# Altium PCB old PT1000_16CH.PCBDOC (part 1 of 5)
Units mil, origin at the board's own origin, x right, y up, seen from the top; angles counter-clockwise.
Board outline 8409.08 x 3937.01 mil, 4 copper layers (TOP, G1, L2, BOT), stack 61.024 mil thick; 557 components, 501 nets, 2175 pads, 416 vias.
Unrouted connection lines stored in the file: 636.
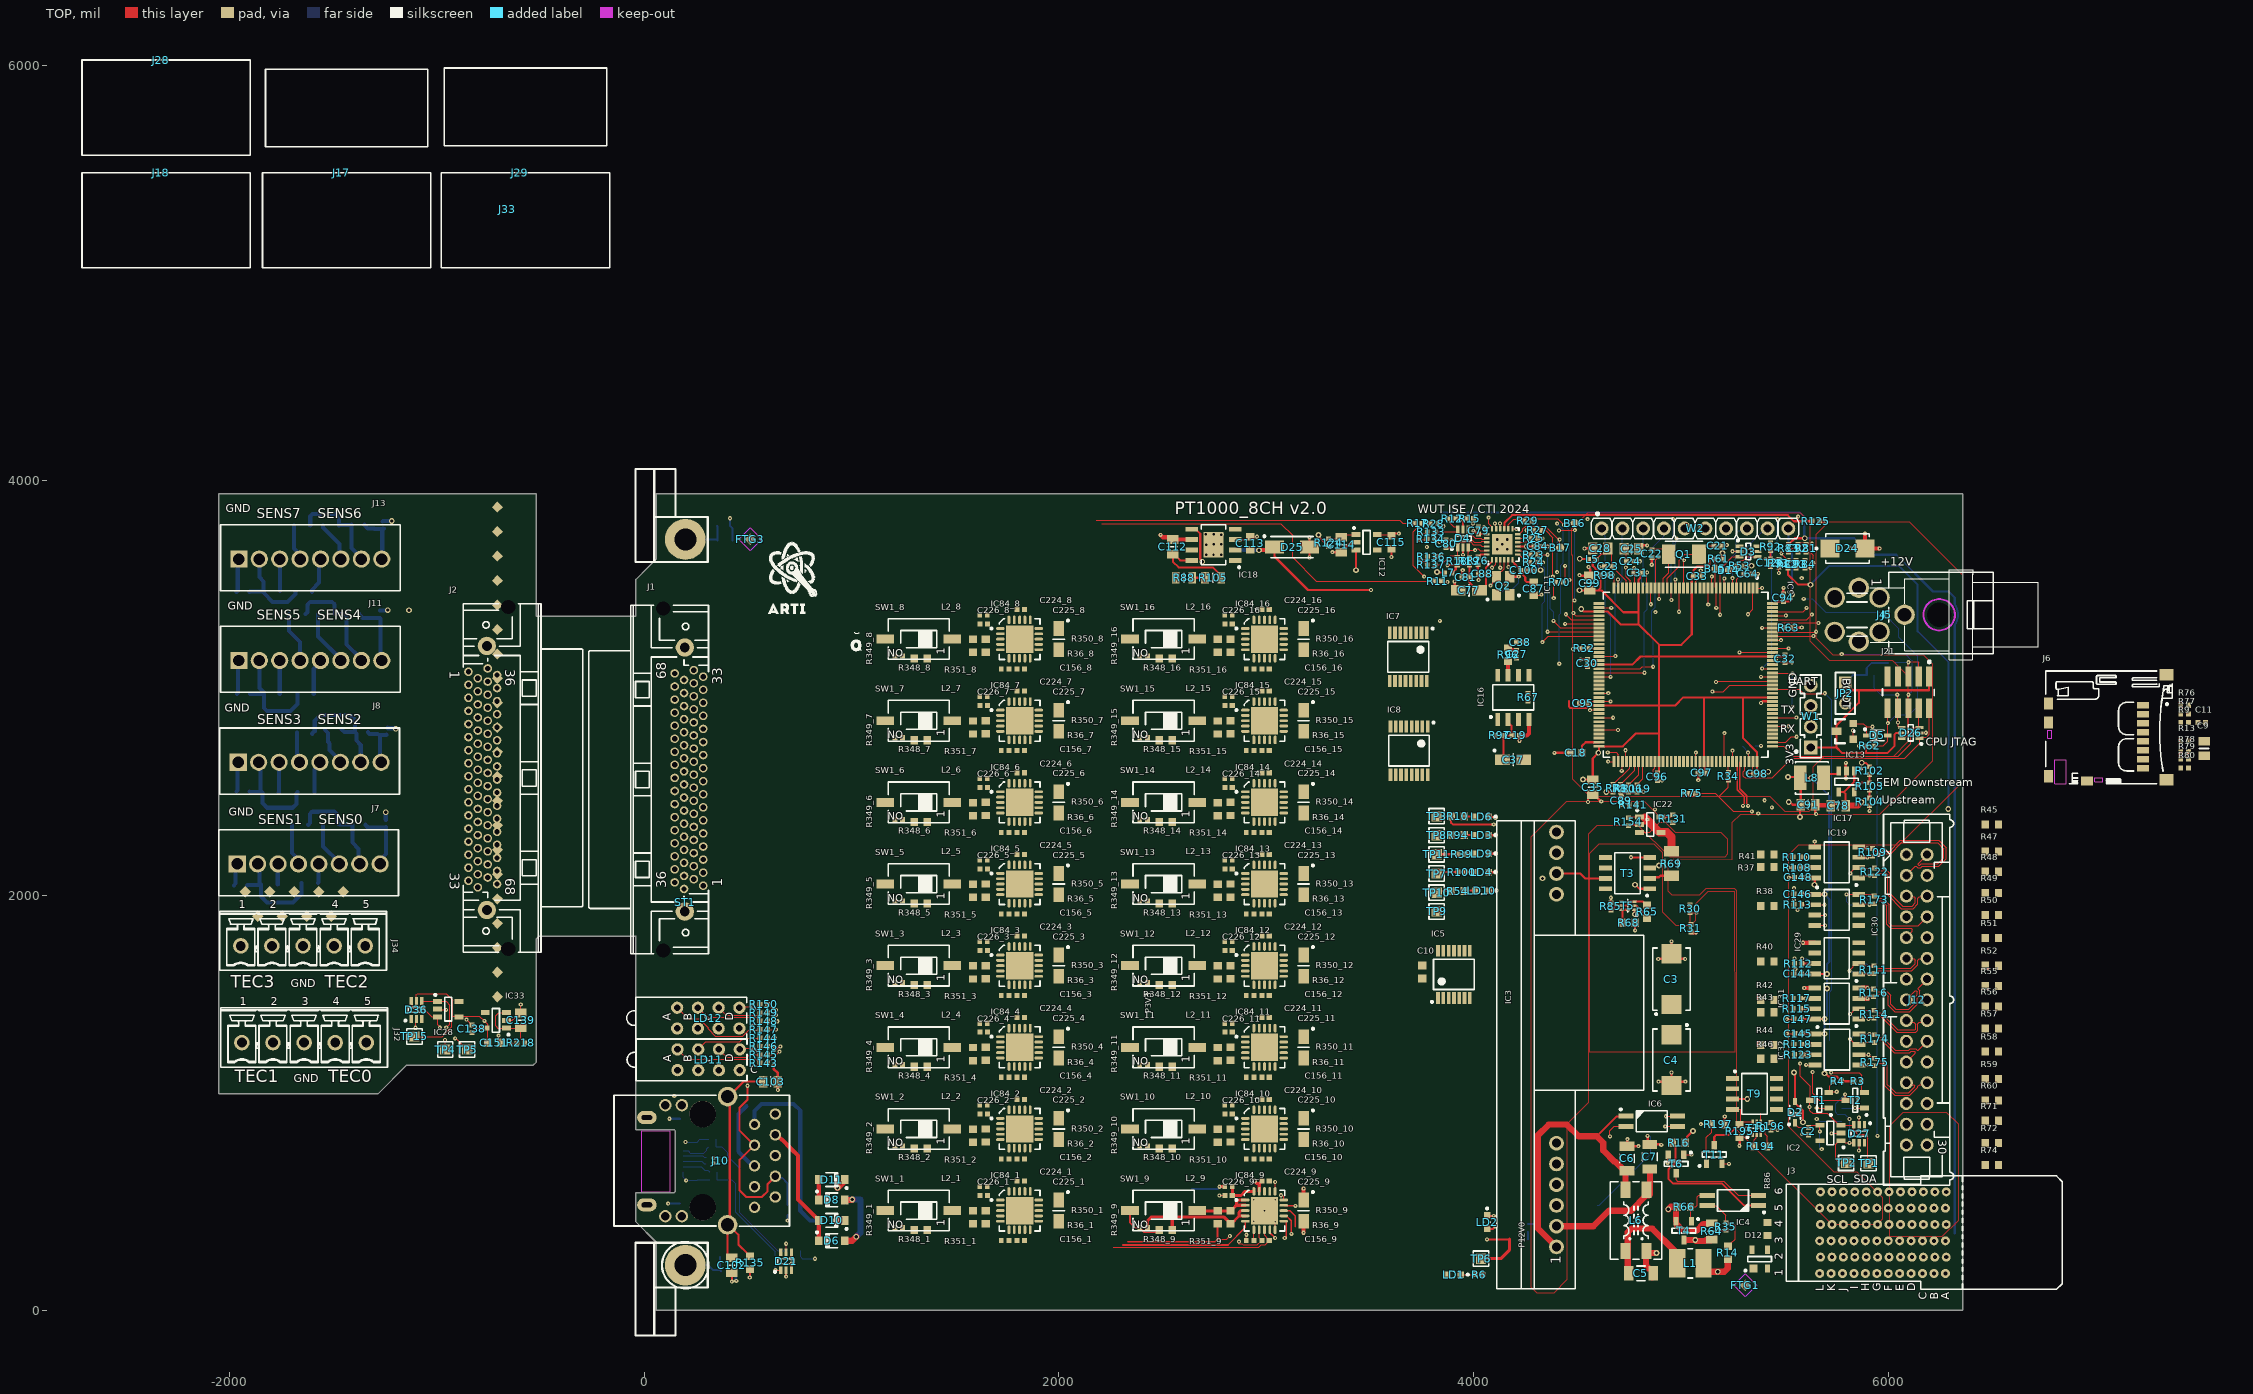
[diagram p0: TOP view]
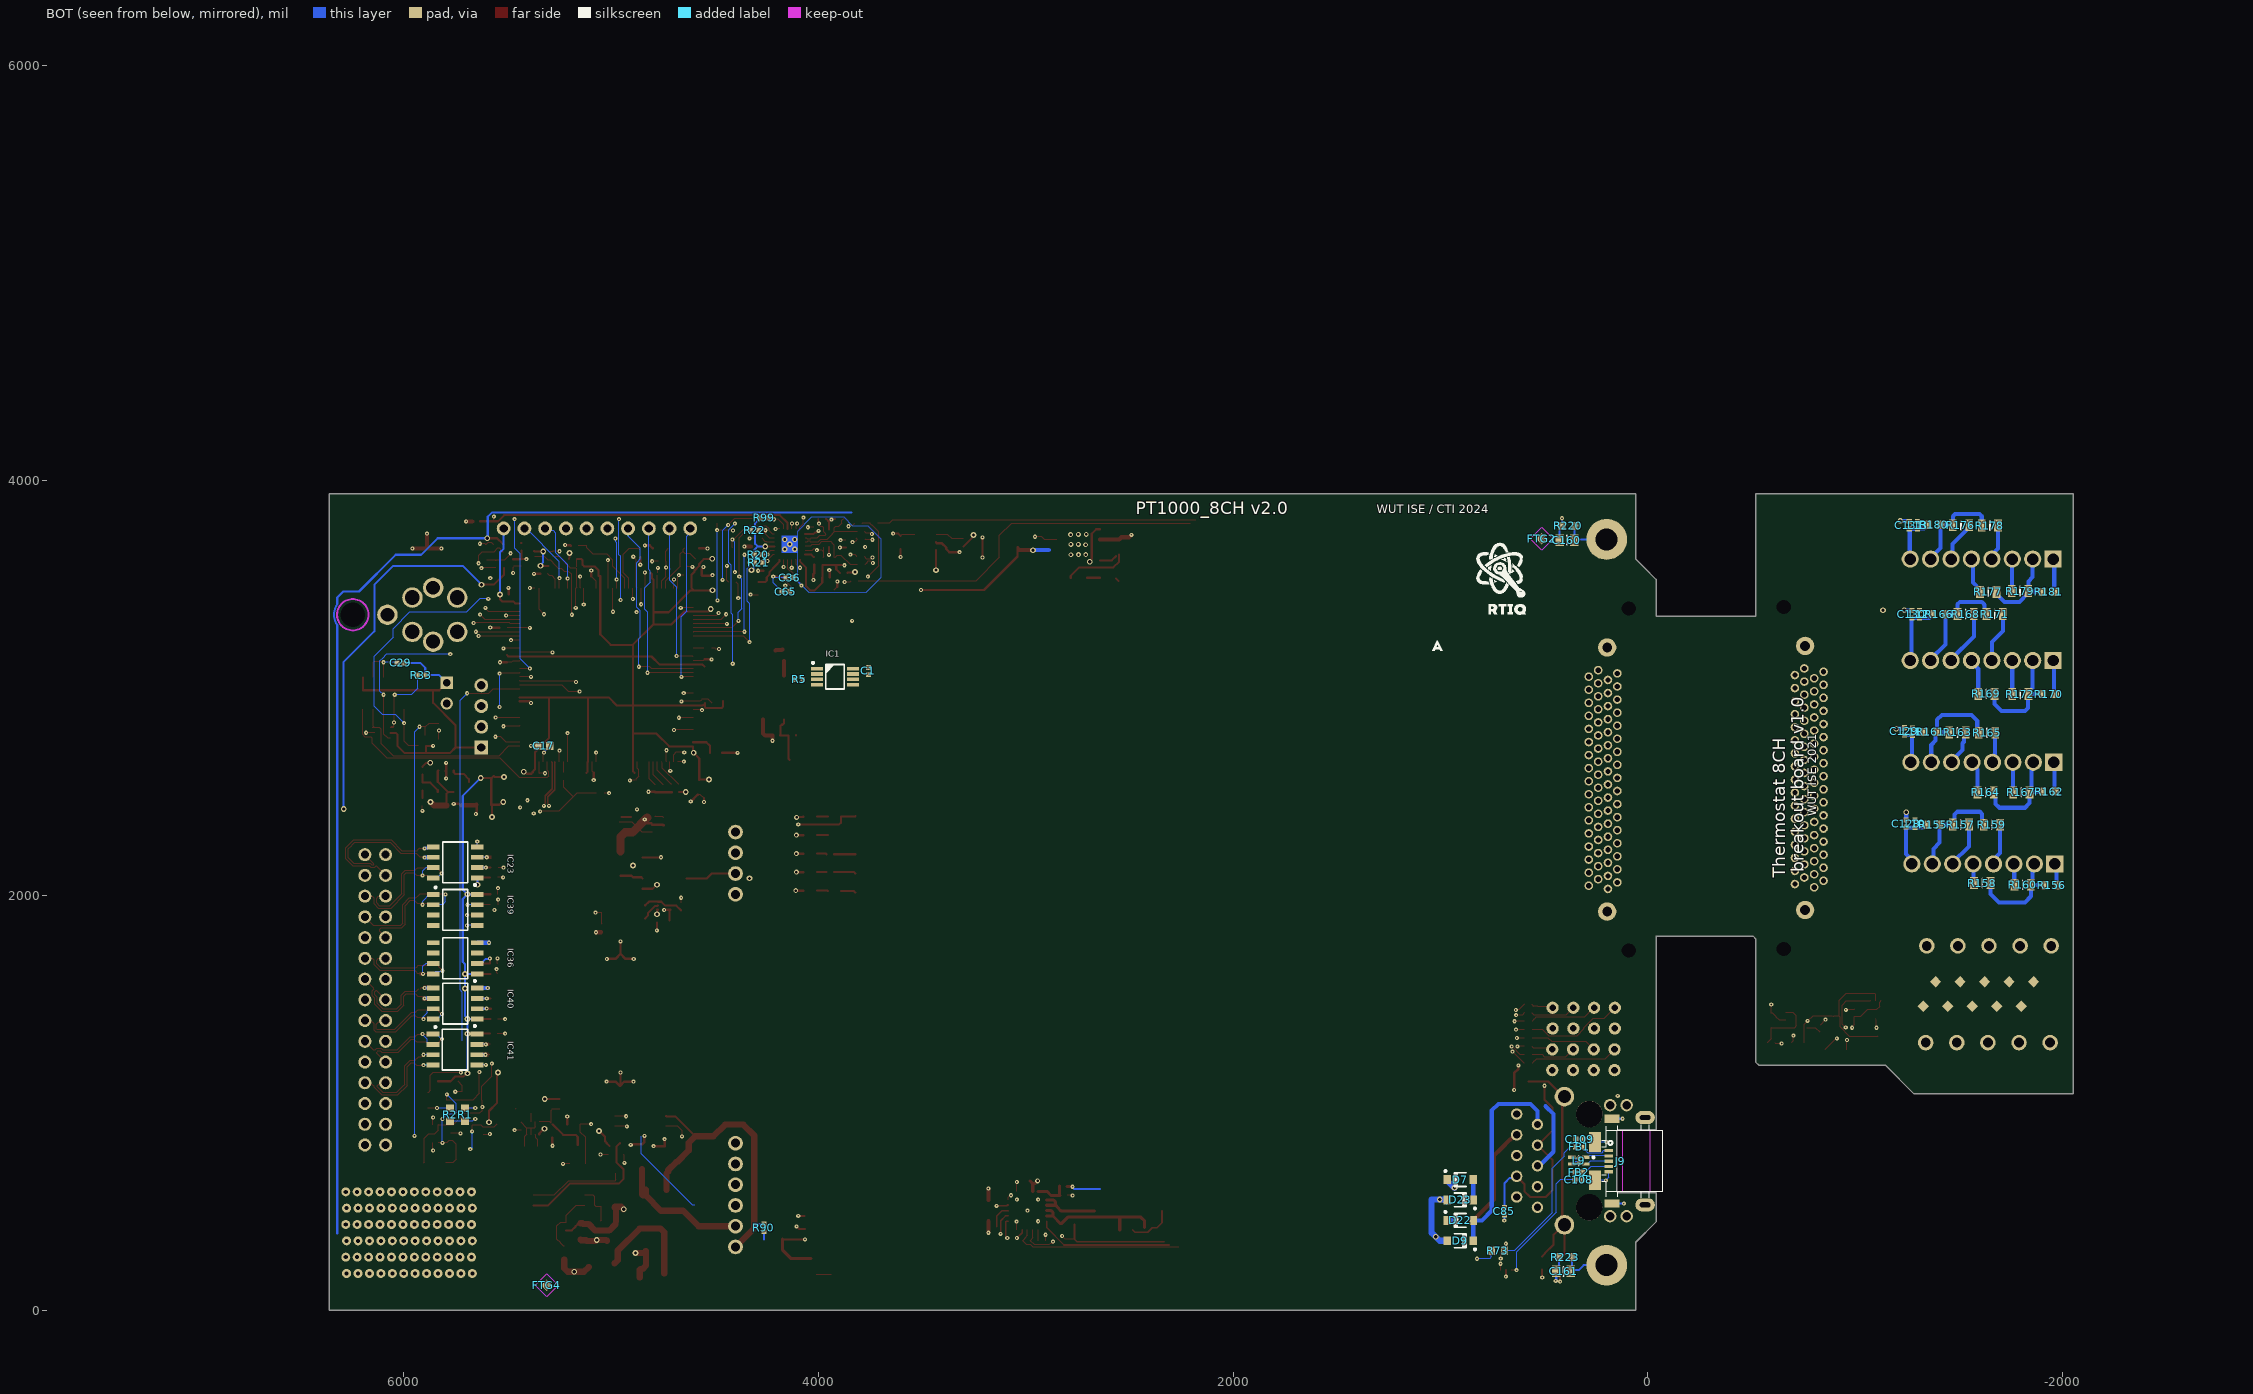
[diagram p1: BOT view, seen from below]
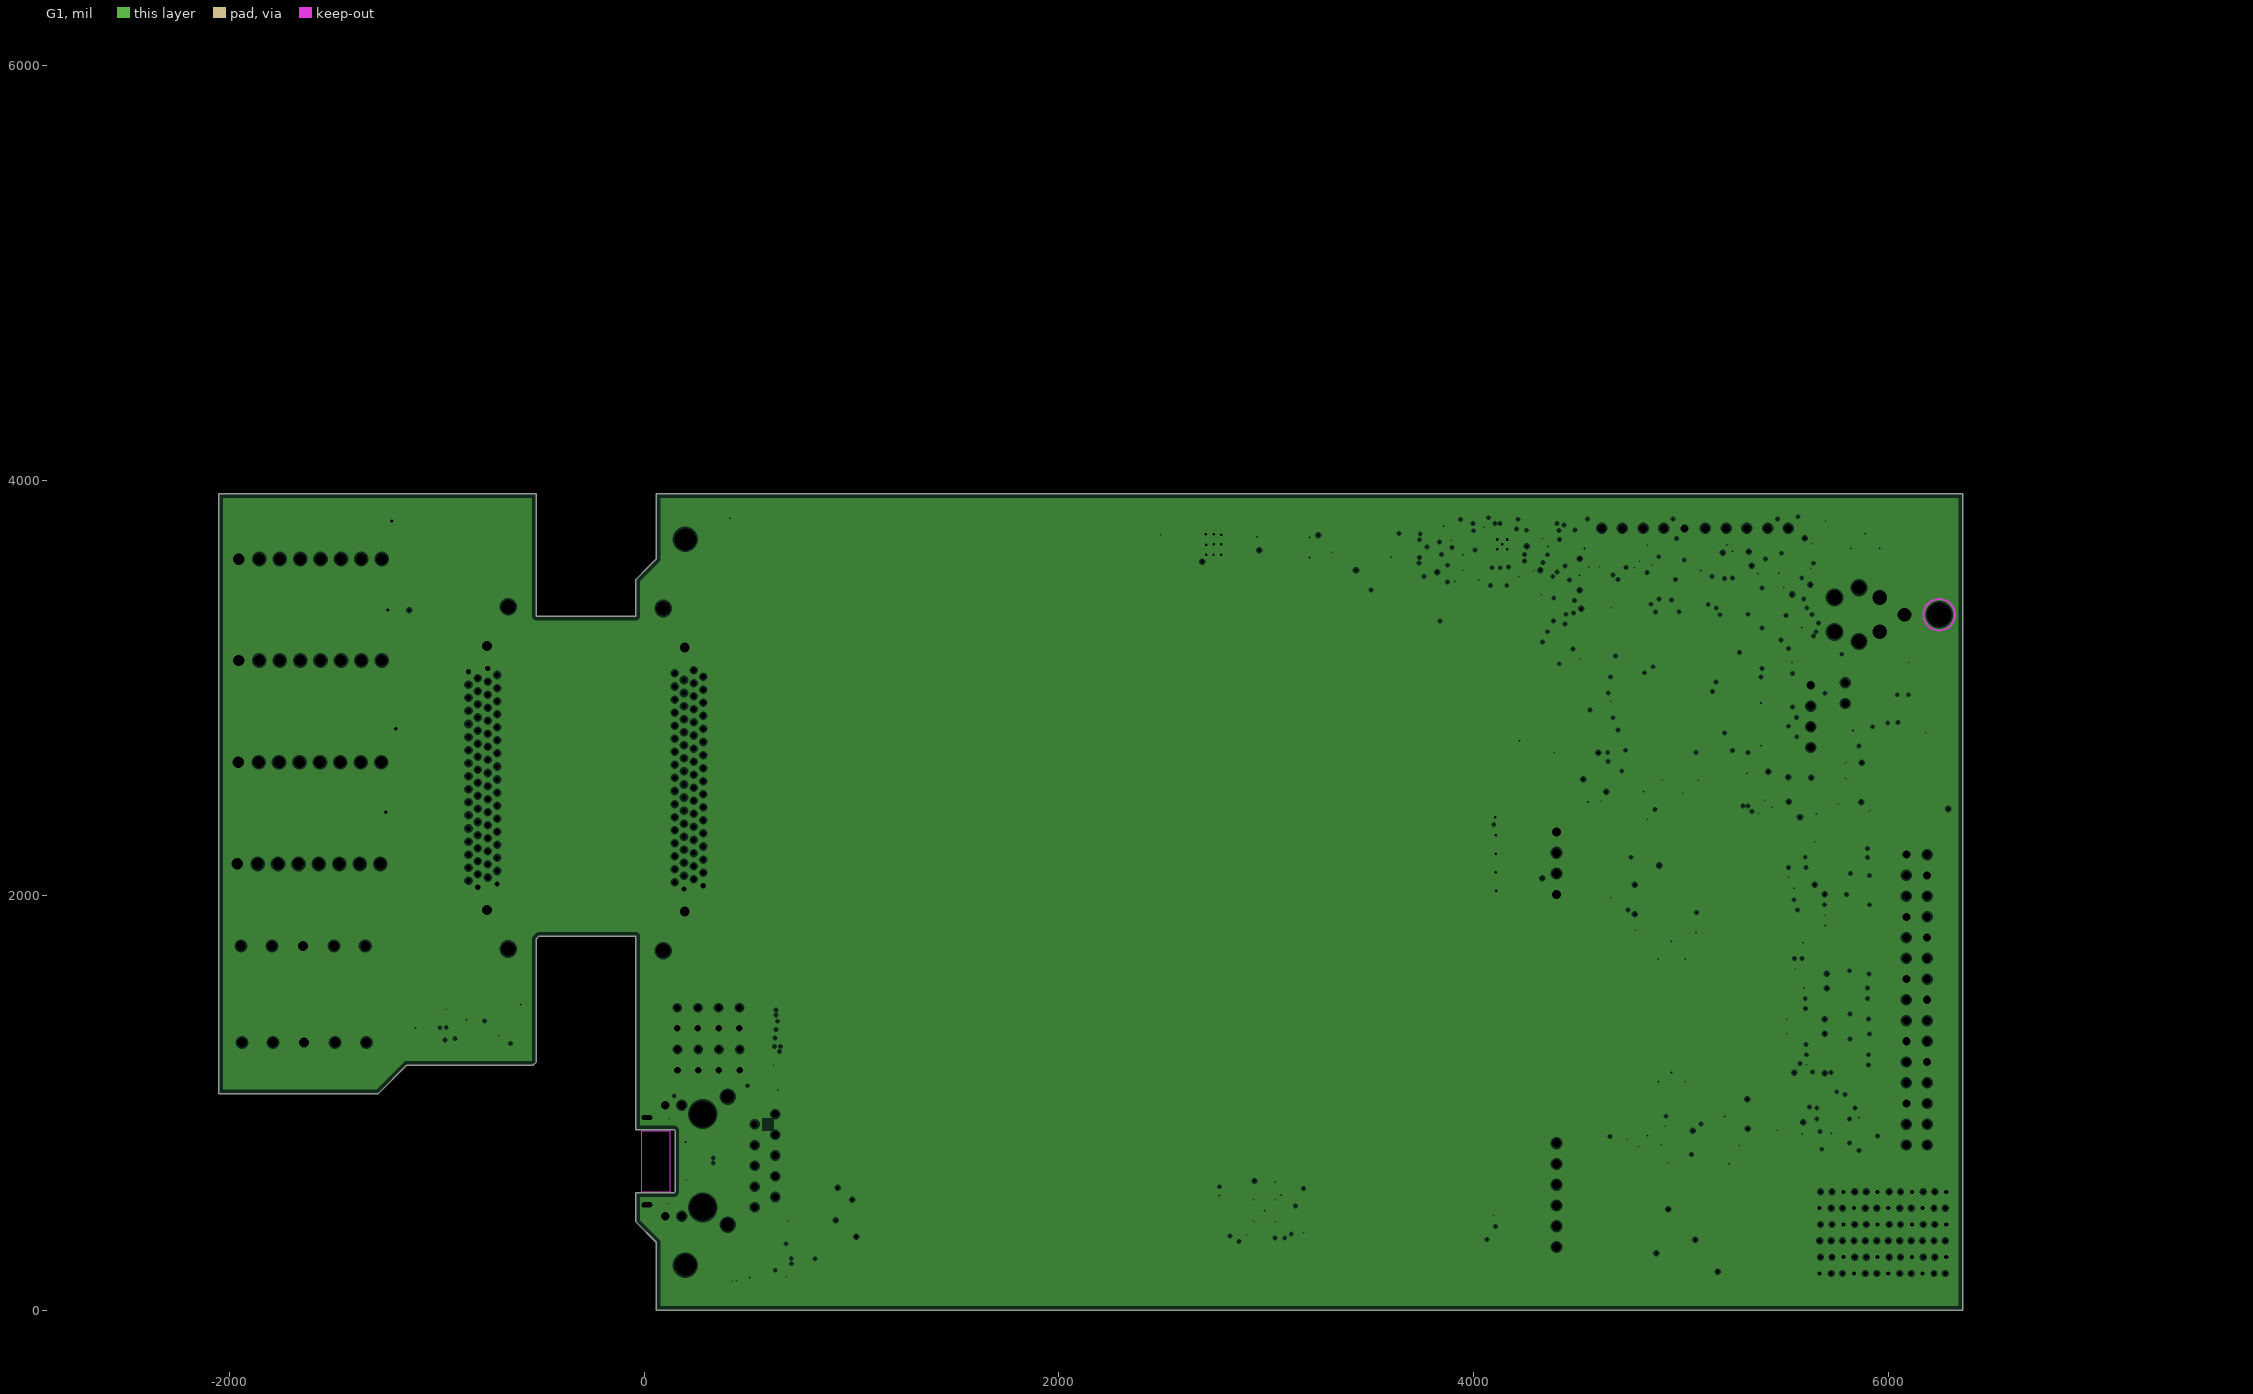
[diagram p2: G1, clearances drawn from the general rule]
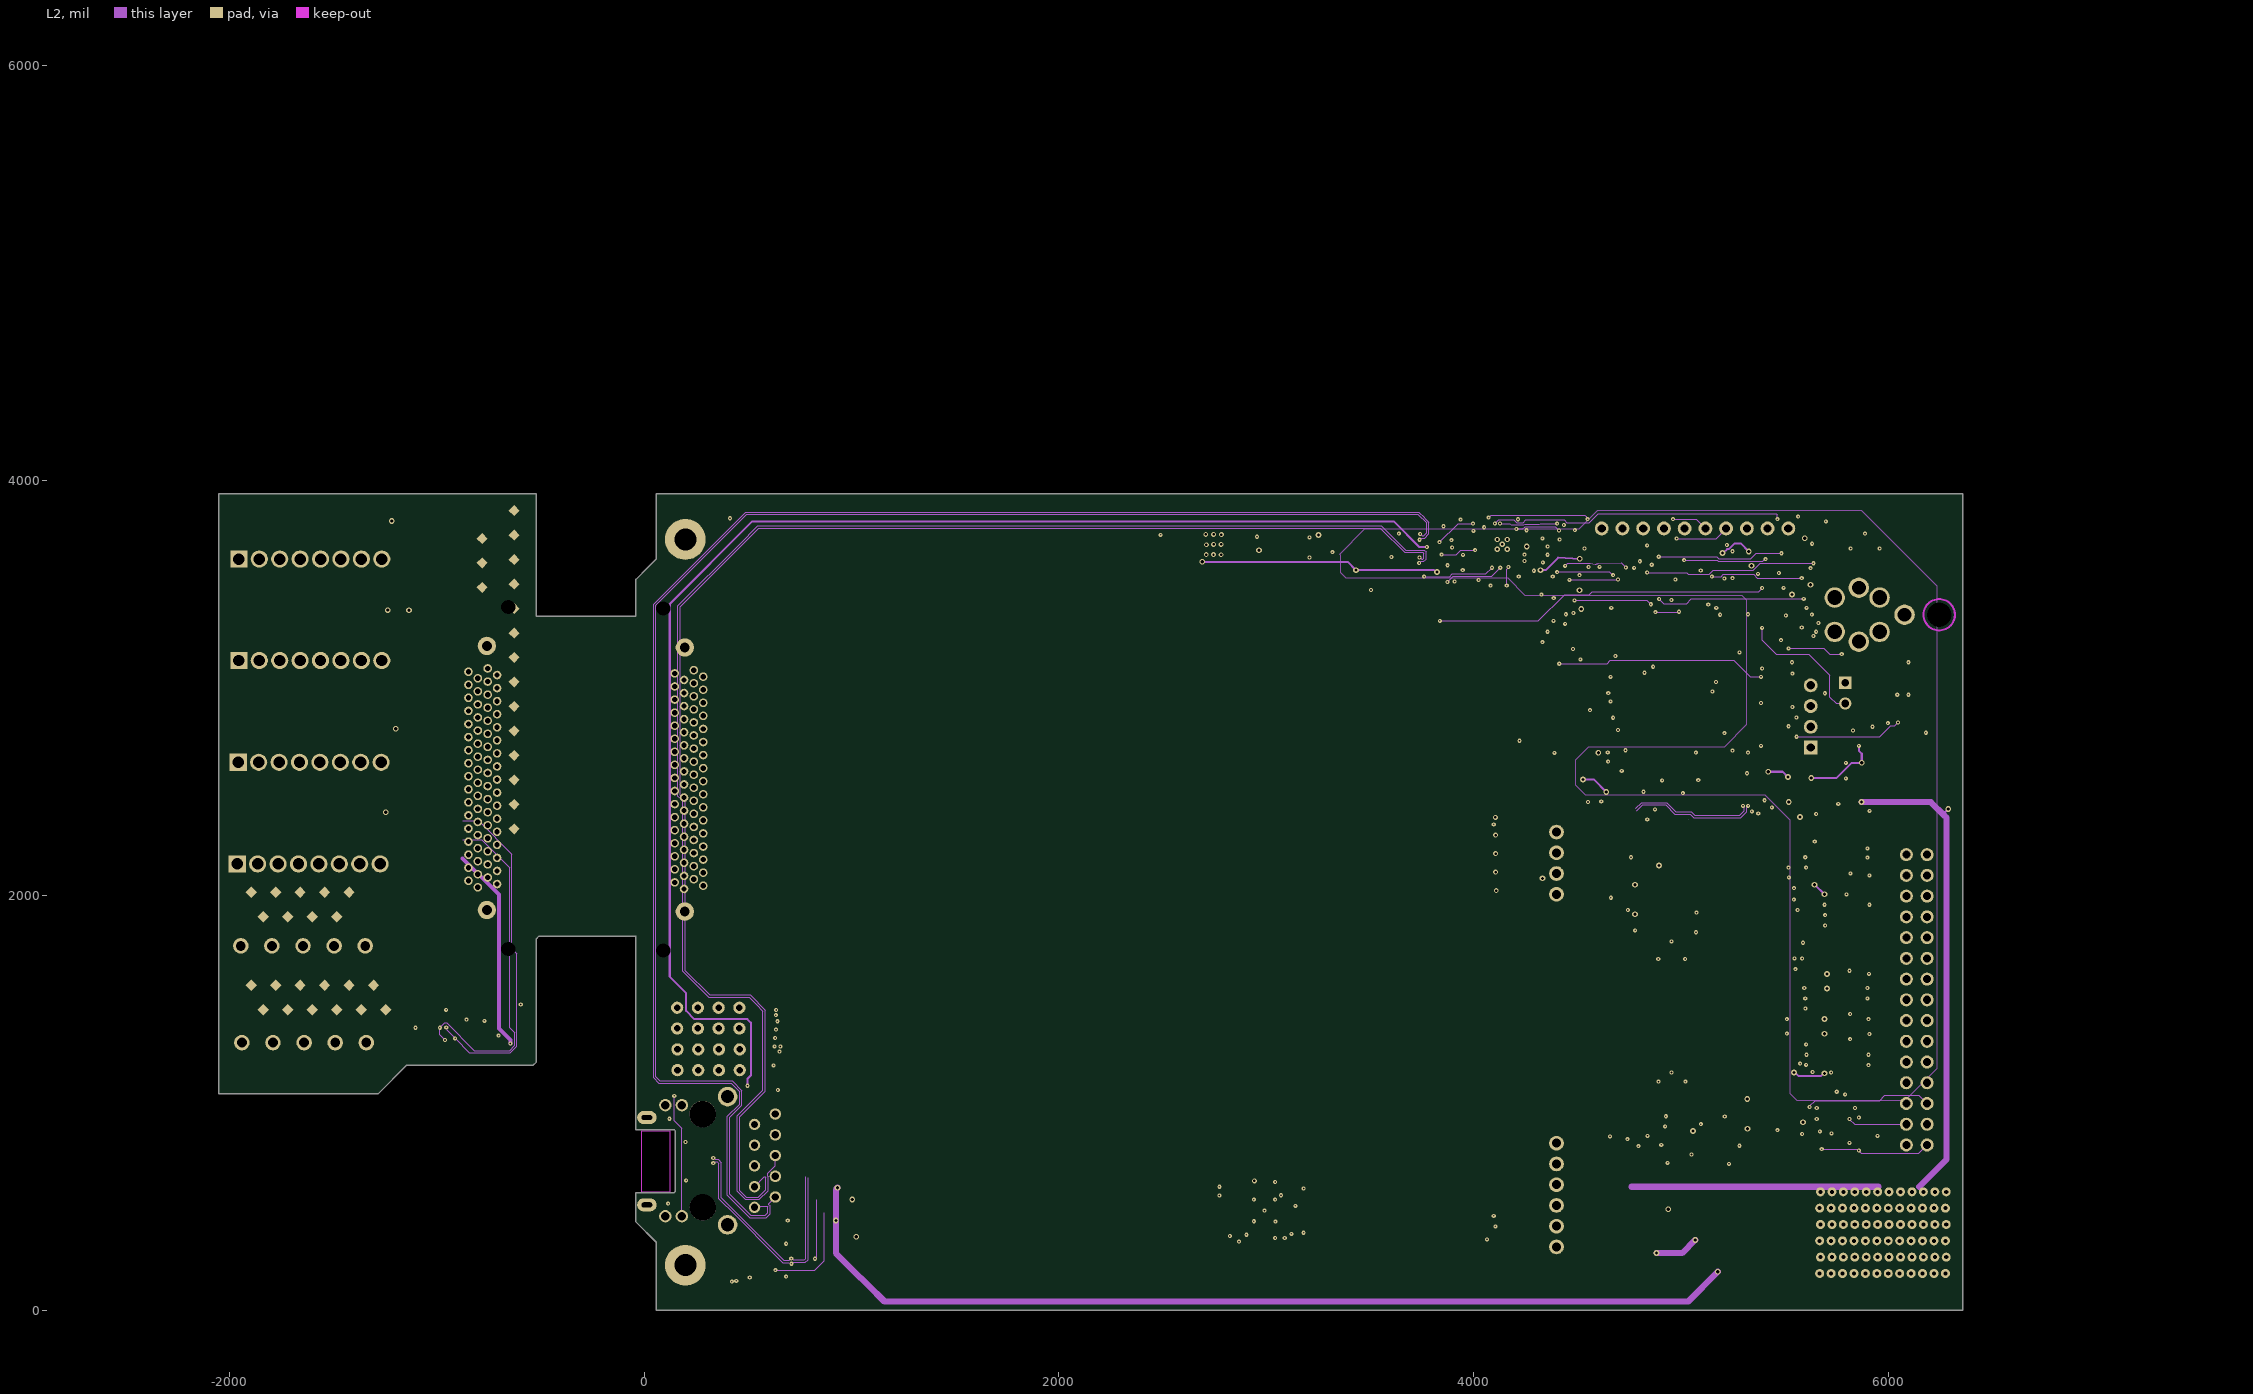
[diagram p3: L2]

## Layer stack, top to bottom
TopSolder: solder mask 0.3937, Solder Resist, Dk 3.5
TOP: signal copper 1.378
Dielectric1: prepreg 7.0866, FR-4, Dk 4.8
G1: plane copper 1.378, net GND
Dielectric2: core 41.3386, Core-042, Dk 4.6
L2: signal copper 1.378
Dielectric3: prepreg 7.0866, FR-4, Dk 4.8
BOT: signal copper 1.378
BottomSolder: solder mask 0.3937, Solder Resist, Dk 3.5

## Board outline
-2051.02,1043.31 -1283.31,1043.31 -1145.51,1181.1 -535.28,1181.1 -519,1197.38 -519,1791 -506.11,1803.89 -39.37,1803.89 -38.95,1803.47 -38.95,870.08 145.67,870.08 149.61,866.14 149.61,570.87 145.67,566.93 -38.94,566.93 -38.94,425.55 59.06,327.55 59.06,0 6358.06,0 6358.06,3937 59.06,3937 59.06,3622.05 19.68,3582.68 -38.95,3524.05 -38.95,3347 -519.5,3347 -519.5,3937.01 -2051.02,3937.01 -2051.02,1803.35 -2051,1803
cut-out: 116.14,866.14 124.02,866.14 124.02,569.88 -10.83,569.88 -11.81,570.87 -11.81,866.14

## Design rules (kind name [scope] priority, off if disabled: settings)
AcuteAngle [All] p1: minimum=6.00000000000000E+0001 checktracksonly=FALSE
Clearance Clearance_HV [InNetClass('HV') vs not InNetClass('HV')] p1: gap=39.37 ignorepadtopadclearanceinfootprint=FALSE
Clearance Clearance_balancing [InNamedPolygon('balancing')] p2: gap=50 ignorepadtopadclearanceinfootprint=FALSE except(25: Via-Via Via-Fill Via-Poly Via-Region Via-Text Via-Hole)
Clearance Clearance_DIFF [(InDifferentialPairClass('All Differential Pairs')and IsTrack ) vs (InDifferentialPairClass('All Differential Pairs') and IsTrack  )] p3 off: gap=20 ignorepadtopadclearanceinfootprint=FALSE except(0: Arc-Hole Track-Hole SMDPad-Hole THPad-Hole Via-Hole Fill-Hole Poly-Hole Region-Hole Text-Hole; 5: SMDPad-SMDPad SMDPad-THPad SMDPad-Via SMDPad-Fill SMDPad-Poly SMDPad-Region SMDPad-Text THPad-THPad THPad-Via THPad-Fill THPad-Poly THPad-Region THPad-Text Via-Via Via-Fill Via-Poly Via-Region Via-Text)
Clearance [All] p4: gap=5 ignorepadtopadclearanceinfootprint=FALSE except(0: Arc-Hole Track-Hole SMDPad-Hole THPad-Hole Via-Hole Fill-Hole Poly-Hole Region-Hole Text-Hole; 8: Arc-Poly Track-Poly SMDPad-Poly THPad-Poly Via-Poly Fill-Poly Poly-Poly)
ComponentClearance [All] p1: gap=0 collisioncheckmode=3 verticalgap=0 showdistances=FALSE
DiffPairsRouting [All] p1: maxlimit=6 minlimit=5 mostfreqgap=6 toplayer_minwidth=5 toplayer_maxwidth=6.69 toplayer_prefwidth=6 midlayer1_minwidth=5 midlayer1_maxwidth=6 midlayer1_prefwidth=6 bottomlayer_minwidth=5 bottomlayer_maxwidth=6.69 bottomlayer_prefwidth=6 maxuncoupledlength=500
FabricationTestPointUsage TestPointUsage [All] p1: valid=0 allowmultiple=FALSE
FabricationTestpoint Testpoint [All] p1: side=3 testpointundercomponent=TRUE minsize=40 maxsize=100 preferedsize=60 minholesize=20 maxholesize=40 preferedholesize=32 testpointgrid=1 allowsidetop=TRUE allowsidebottom=TRUE usegrid=TRUE gridtolerance=0.01
Height [All] p1: minheight=0 maxheight=1574.8 prefheight=1574.8
HoleSize [All] p1: absolutevalues=TRUE maxlimit=150 minlimit=1 maxpercent=80.000 minpercent=20.000
HoleToHoleClearance [All] p1: gap=1 allowstackedmicrovias=TRUE
MatchedLengths "Schematic Matched Net Lengths_3" [InNet('PHY_TD_P')] p1: tolerance=100 checknetsindiffpair=TRUE checkdiffpairvsdiffpair=FALSE checkxsignals=FALSE checkothers=FALSE
MatchedLengths "Schematic Matched Net Lengths_2" [InNet('PHY_RD_P')] p2: tolerance=100 checknetsindiffpair=TRUE checkdiffpairvsdiffpair=FALSE checkxsignals=FALSE checkothers=FALSE
MatchedLengths "Schematic Matched Net Lengths_1" [InNet('PHY_TD_N')] p3: tolerance=100 checknetsindiffpair=TRUE checkdiffpairvsdiffpair=FALSE checkxsignals=FALSE checkothers=FALSE
MatchedLengths "Schematic Matched Net Lengths" [InNet('PHY_RD_N')] p4: tolerance=100 checknetsindiffpair=TRUE checkdiffpairvsdiffpair=FALSE checkxsignals=FALSE checkothers=FALSE
MinimumSolderMaskSliver [All] p1: minsoldermaskwidth=0
PlaneClearance PlaneClearance_HV [InNetClass('HV')] p1: clearance=39.37
PlaneClearance [All] p2: clearance=7.87
PlaneConnect [All] p1: pad.planeconnectstyle=Relief pad.reliefexpansion=10 pad.reliefentries=4 pad.reliefconductorwidth=10 pad.reliefairgap=6 via.planeconnectstyle=Direct via.reliefexpansion=20 via.reliefentries=4 via.reliefconductorwidth=10 via.reliefairgap=10
PolygonConnect PolygonConnect_Power [InComponent('C155') or InComponent('C156') or  InComponent('C157') or  InComponent('C158') or InComponent('C163') or InComponent('C164')  or InComponent('C165')or InComponent('C167') or InComponent('L2_1')  or InComponent('L2_2') or InComponent('L2_3') or InComponent('L2_4')    or InComponent('L4_1')  or InComponent('L4_2') or InComponent('L4_3') or InComponent('L4_4')] p1: connectstyle=Relief reliefconductorwidth=15.75 reliefentries=4 polygonreliefangle="90 Angle" airgapwidth=10
PolygonConnect PolygonConnect_BGA [HasFootprint('LGA25C127P5X5_625X625X192')] p2: connectstyle=Direct reliefconductorwidth=10 reliefentries=4 polygonreliefangle="90 Angle" airgapwidth=10
PolygonConnect PolygonConnect_pad [All] p3: thpad.connectstyle=Relief thpad.reliefconductorwidth=10 thpad.reliefentries=4 thpad.polygonreliefangle="90 Angle" thpad.airgapwidth=6 smdpad.connectstyle=Relief smdpad.reliefconductorwidth=10 smdpad.reliefentries=4 smdpad.polygonreliefangle="90 Angle" smdpad.airgapwidth=6 via.connectstyle=Direct via.reliefconductorwidth=10 via.reliefentries=4 via.polygonreliefangle="90 Angle" via.airgapwidth=6
RoomDefinition RTD_09 [InComponentClass('RTD_09')] p1: confinementstyle=ConfineIn formatcopy=TRUE lockcomponents=FALSE outline 2244.09,677.17 3425.2,677.17 3425.2,1070.87 2244.09,1070.87
RoomDefinition RTD_08 [InComponentClass('RTD_08')] p2: confinementstyle=ConfineIn formatcopy=TRUE lockcomponents=FALSE outline 2244.09,283.46 3425.2,283.46 3425.2,677.17 2244.09,677.17
RoomDefinition RTD_00 [InComponentClass('RTD_00')] p3: confinementstyle=ConfineIn formatcopy=TRUE lockcomponents=FALSE outline 1062.99,283.46 2244.09,283.46 2244.09,677.17 1062.99,677.17
RoomDefinition RTD_01 [InComponentClass('RTD_01')] p4: confinementstyle=ConfineIn formatcopy=TRUE lockcomponents=FALSE outline 1062.99,677.17 2244.09,677.17 2244.09,1070.87 1062.99,1070.87
RoomDefinition RTD_15 [InComponentClass('RTD_15')] p5: confinementstyle=ConfineIn formatcopy=TRUE lockcomponents=FALSE outline 2244.09,3039.37 3425.2,3039.37 3425.2,3433.07 2244.09,3433.07
RoomDefinition RTD_07 [InComponentClass('RTD_07')] p6: confinementstyle=ConfineIn formatcopy=TRUE lockcomponents=FALSE outline 1062.99,3039.37 2244.09,3039.37 2244.09,3433.07 1062.99,3433.07
RoomDefinition RTD_14 [InComponentClass('RTD_14')] p7: confinementstyle=ConfineIn formatcopy=TRUE lockcomponents=FALSE outline 2244.09,2645.67 3425.2,2645.67 3425.2,3039.37 2244.09,3039.37
RoomDefinition RTD_13 [InComponentClass('RTD_13')] p8: confinementstyle=ConfineIn formatcopy=TRUE lockcomponents=FALSE outline 2244.09,2251.97 3425.2,2251.97 3425.2,2645.67 2244.09,2645.67
RoomDefinition RTD_12 [InComponentClass('RTD_12')] p9: confinementstyle=ConfineIn formatcopy=TRUE lockcomponents=FALSE outline 2244.09,1858.27 3425.2,1858.27 3425.2,2251.97 2244.09,2251.97
RoomDefinition RTD_11 [InComponentClass('RTD_11')] p10: confinementstyle=ConfineIn formatcopy=TRUE lockcomponents=FALSE outline 2244.09,1464.57 3425.2,1464.57 3425.2,1858.27 2244.09,1858.27
RoomDefinition RTD_10 [InComponentClass('RTD_10')] p11: confinementstyle=ConfineIn formatcopy=TRUE lockcomponents=FALSE outline 2244.09,1070.87 3425.2,1070.87 3425.2,1464.57 2244.09,1464.57
RoomDefinition RTD_06 [InComponentClass('RTD_06')] p12: confinementstyle=ConfineIn formatcopy=TRUE lockcomponents=FALSE outline 1062.99,2645.67 2244.09,2645.67 2244.09,3039.37 1062.99,3039.37
RoomDefinition RTD_05 [InComponentClass('RTD_05')] p13: confinementstyle=ConfineIn formatcopy=TRUE lockcomponents=FALSE outline 1062.99,2251.97 2244.09,2251.97 2244.09,2645.67 1062.99,2645.67
RoomDefinition RTD_04 [InComponentClass('RTD_04')] p14: confinementstyle=ConfineIn formatcopy=TRUE lockcomponents=FALSE outline 1062.99,1858.27 2244.09,1858.27 2244.09,2251.97 1062.99,2251.97
RoomDefinition RTD_03 [InComponentClass('RTD_03')] p15: confinementstyle=ConfineIn formatcopy=TRUE lockcomponents=FALSE outline 1062.99,1070.87 2244.09,1070.87 2244.09,1464.57 1062.99,1464.57
RoomDefinition RTD_02 [InComponentClass('RTD_02')] p16: confinementstyle=ConfineIn formatcopy=TRUE lockcomponents=FALSE outline 1062.99,1464.57 2244.09,1464.57 2244.09,1858.27 1062.99,1858.27
RoomDefinition U_Breakout [InComponentClass('U_Breakout')] p17: confinementstyle=ConfineIn formatcopy=TRUE lockcomponents=FALSE outline -2051.18,1043.31 -519,1043.31 -519,3937.01 -2051.18,3937.01
RoutingVias RoutingVias_HPOW [InNetClass('HPOW')] p1: holewidth=28 width=50 viastyle="Through Hole" minholewidth=28 minwidth=50 maxholewidth=28 maxwidth=50 useviatemplates=TRUE viatemplateguid#1={C4BC9E51-A50C-4827-9BB3-4603308538B4} viatemplateguid#2={B5D767B0-96F0-490E-9621-DF468C9DD5C8} viatemplateguid#3={CC3703E4-4F4D-4ECC-8BAE-5075FE03B580} viatemplatename#1=v50h20m0mx0 viatemplatename#2=v66h33m0mx0 viatemplatename#3=v70h40m0mx0
RoutingVias [All] p2: holewidth=7.87 width=19.68 viastyle="Through Hole" minholewidth=7.87 minwidth=19.68 maxholewidth=39.37 maxwidth=78.74 useviatemplates=TRUE viatemplateguid#1={C4BC9E51-A50C-4827-9BB3-4603308538B4} viatemplateguid#2={A86ABFB5-DEF7-4A39-8B53-0CFF0DEED7D0} viatemplateguid#3={C0EBE885-0A75-4383-AABD-E9C68A6ADC0C} viatemplateguid#4={B5D767B0-96F0-490E-9621-DF468C9DD5C8} viatemplateguid#5={CC3703E4-4F4D-4ECC-8BAE-5075FE03B580} viatemplateguid#6={09B06083-E995-414E-AB37-2F7DC4B9C6DF} viatemplateguid#7={4937D8D9-3ACA-4365-854C-C932E18BD1B1} viatemplatename#1=v50h20m0mx0 viatemplatename#2=v60h30 viatemplatename#3=v60h30m0mx0(1) viatemplatename#4=v66h33m0mx0 viatemplatename#5=v70h40m0mx0 viatemplatename#6=v60h30m0mx0 viatemplatename#7=v50h20m55mx0
SilkToSilkClearance [All] p1: silktosilkclearance=0
SilkToSolderMaskClearance SilkscreenOverComponentPads [IsPad] p1: minsilkscreentomaskgap=0 clearancetoexposedcopper=TRUE
SolderMaskExpansion [All] p1: expansion=0.59 istentingtop=FALSE
SupplyNets "Schematic Supply Nets_12" [InNet('GND')] p1: voltage=0.000
SupplyNets "Schematic Supply Nets_11" [InNet('P12V0_IN')] p2: voltage=0.000
SupplyNets "Schematic Supply Nets_10" [InNet('P12V0')] p3: voltage=0.000
SupplyNets "Schematic Supply Nets_9" [InNet('P3V3IO')] p4: voltage=0.000
SupplyNets "Schematic Supply Nets_8" [InNet('P3V3')] p5: voltage=0.000
SupplyNets "Schematic Supply Nets_7" [InNet('P5V0')] p6: voltage=0.000
SupplyNets "Schematic Supply Nets_6" [InNet('P5V0_AFE')] p7: voltage=0.000
SupplyNets "Schematic Supply Nets_5" [InNet('P12V0_EEM')] p8: voltage=0.000
SupplyNets "Schematic Supply Nets_4" [InNet('P3V3_MP')] p9: voltage=0.000
SupplyNets "Schematic Supply Nets_3" [InNet('AVDDT_PHY')] p10: voltage=0.000
SupplyNets "Schematic Supply Nets_2" [InNet('P3V0REF')] p11: voltage=0.000